# Allegro board 8880F5-0826_3.brd (continued)
## Routing (per net, layer and track width the routed paths; a pad name or vN(x,y) marks a point on that pad's centre or on a via; arc(x,y) is an arc through that point) (continued)
; D322.A8 251.46,66.75 ; D322.A8 252.17,66.04 ; D322.A8 250.75,66.04 ; 190.5,77.93 D118.B13 ; D118.B13 191.31,78.74 ; D118.B13 189.69,78.74 ; D118.B13 190.5,79.55 ; D125.A13 43.99,93.98 ; D125.A13 43.18,94.79 ; D125.A13 43.18,93.17 ; D125.A13 42.37,93.98 ; D128.B2 16.05,40.64 ; D128.B2 14.43,40.64 ; D128.B2 15.24,41.45 ; D128.B2 15.24,39.83 ; D102.B3 313.23,78.74 ; D102.B3 312.42,79.55 ; D102.B3 311.61,78.74 ; D102.B3 312.42,77.93 ; 172.01,91.44 D317.B6 ; D317.B6 173.43,91.44 ; D317.B6 172.72,92.15 ; D317.B6 172.72,90.73 ; DPS2.A15 313.23,415.29 ; DPS2.A15 312.42,414.48 ; DPS2.A15 312.42,416.1 ; DPS2.A15 311.61,415.29 ; D128.B10 35.56,41.45 ; D128.B10 34.75,40.64 ; D128.B10 35.56,39.83 ; D128.B10 36.37,40.64 ; CSDPS225.B2 271.78,333.55 ; CSDPS225.B2 270.97,332.74 ; CSDPS225.B2 271.78,331.93 ; CSDPS225.B2 272.59,332.74 ; 386.08,349.71 D110.B15 ; D110.B15 386.08,351.33 ; D110.B15 386.89,350.52 ; D110.B15 385.27,350.52 ; 159.21,375.92 D231.A17 ; D231.A17 160.02,376.73 ; D231.A17 160.83,375.92 ; D231.A17 160.02,375.11 ; D104.B7 323.39,38.1 ; D104.B7 321.77,38.1 ; D104.B7 322.58,38.91 ; D104.B7 322.58,37.29 ; 340.36,55.07 D103.A14 ; D103.A14 339.55,55.88 ; D103.A14 340.36,56.69 ; D103.A14 341.17,55.88 ; 326.95,63.5 D302.A9 ; D302.A9 327.66,62.79 ; D302.A9 327.66,64.21 ; D302.A9 328.37,63.5 ; 269.24,72.85 D122.A15 ; D122.A15 270.05,73.66 ; D122.A15 268.43,73.66 ; D122.A15 269.24,74.47 ; 39.83,55.88 D127.A12 ; D127.A12 40.64,55.07 ; D127.A12 40.64,56.69 ; D127.A12 41.45,55.88 ; D126.A10 36.37,76.2 ; D126.A10 34.75,76.2 ; D126.A10 35.56,77.01 ; D126.A10 35.56,75.39 ; D124.A5 244.65,33.02 ; D124.A5 243.03,33.02 ; D124.A5 243.84,33.83 ; D124.A5 243.84,32.21 ; D119.B5 170.99,58.42 ; D119.B5 169.37,58.42 ; D119.B5 170.18,59.23 ; D119.B5 170.18,57.61 ; 176.99,76.2 D118.A8 ; D118.A8 178.61,76.2 ; D118.A8 177.8,75.39 ; D118.A8 177.8,77.01 ; D431.A7 185.42,386.89 ; D431.A7 184.61,386.08 ; D431.A7 185.42,385.27 ; D431.A7 186.23,386.08 ; D306.A1 381.71,63.5 ; D306.A1 381,64.21 ; D306.A1 381,62.79 ; D306.A1 380.29,63.5 ; 250.85,241.33 SITE1.G4 ; SITE1.G4 251.33,240.85 ; SITE1.G4 251.33,241.81 ; SITE1.G4 251.81,241.33 ; 50.8,39.83 D128.B16 ; D128.B16 50.8,41.45 ; D128.B16 49.99,40.64 ; D128.B16 51.61,40.64 ; 116.03,78.74 D130.B13 ; D130.B13 116.84,79.55 ; D130.B13 117.65,78.74 ; D130.B13 116.84,77.93 ; D129.B1 87.17,99.06 ; D129.B1 86.36,99.87 ; D129.B1 86.36,98.25 ; D129.B1 85.55,99.06 ; D102.B2 310.69,81.28 ; D102.B2 309.07,81.28 ; D102.B2 309.88,80.47 ; D102.B2 309.88,82.09 ; 246.38,55.07 D123.A6 ; D123.A6 247.19,55.88 ; D123.A6 245.57,55.88 ; D123.A6 246.38,56.69 ; 332.74,52.53 D103.A11 ; D103.A11 332.74,54.15 ; D103.A11 333.55,53.34 ; D103.A11 331.93,53.34 ; 311.71,83.82 D301.A3 ; D301.A3 312.42,83.11 ; D301.A3 313.13,83.82 ; D301.A3 312.42,84.53 ; D321.A1 233.68,84.53 ; D321.A1 233.68,83.11 ; D321.A1 234.39,83.82 ; D321.A1 232.97,83.82 ; SITE3.G14 250.71,182.83 ; SITE3.G14 250.23,182.35 ; SITE3.G14 250.23,183.31 ; SITE3.G14 249.75,182.83 ; D301.A1 308.05,83.82 ; D301.A1 306.63,83.82 ; D301.A1 307.34,83.11 ; D301.A1 307.34,84.53 ; D122.B15 269.24,79.55 ; D122.B15 268.43,78.74 ; D122.B15 270.05,78.74 ; D122.B15 269.24,77.93 ; D302.B16 346.15,71.12 ; D302.B16 344.73,71.12 ; D302.B16 345.44,70.41 ; D302.B16 345.44,71.83 ; 249.33,247.45 SITE1.G8 ; SITE1.G8 249.33,248.41 ; SITE1.G8 248.85,247.93 ; SITE1.G8 249.81,247.93 ; S2_I2C.4 505.89,203.45 ; S2_I2C.4 504.01,203.45 ; S2_I2C.4 504.95,202.51 ; S2_I2C.4 504.95,204.39 ; 396.24,349.71 D110.B11 ; D110.B11 396.24,351.33 ; D110.B11 397.05,350.52 ; D110.B11 395.43,350.52 ; 240.49,332.74 CSDPS225.B14 ; CSDPS225.B14 242.11,332.74 ; CSDPS225.B14 241.3,333.55 ; CSDPS225.B14 241.3,331.93 ; 414.02,55.07 D107.A14 ; D107.A14 413.21,55.88 ; D107.A14 414.02,56.69 ; D107.A14 414.83,55.88 ; 176.99,81.28 D118.B8 ; D118.B8 177.8,80.47 ; D118.B8 178.61,81.28 ; D118.B8 177.8,82.09 ; 190.5,83.11 D317.A13 ; D317.A13 189.79,83.82 ; D317.A13 191.21,83.82 ; D317.A13 190.5,84.53 ; 243.84,83.11 D321.A5 ; D321.A5 243.13,83.82 ; D321.A5 244.55,83.82 ; D321.A5 243.84,84.53 ; D231.B14 167.64,369.11 ; D231.B14 166.83,368.3 ; D231.B14 167.64,367.49 ; D231.B14 168.45,368.3 ; D107.A5 391.16,54.15 ; D107.A5 391.97,53.34 ; D107.A5 390.35,53.34 ; D107.A5 391.16,52.53 ; 264.16,62.79 D322.A13 ; D322.A13 264.16,64.21 ; D322.A13 264.87,63.5 ; D322.A13 263.45,63.5 ; D108.B15 417.37,38.1 ; D108.B15 416.56,38.91 ; D108.B15 416.56,37.29 ; D108.B15 415.75,38.1 ; D104.A5 318.31,33.02 ; D104.A5 317.5,33.83 ; D104.A5 316.69,33.02 ; D104.A5 317.5,32.21 ; 250.95,246.43 SITE1.G19 ; SITE1.G19 251.43,245.95 ; SITE1.G19 251.91,246.43 ; SITE1.G19 251.43,246.91 ; CSDPS429.B12 172.72,343.71 ; CSDPS429.B12 171.91,342.9 ; CSDPS429.B12 172.72,342.09 ; CSDPS429.B12 173.53,342.9 ; D115.B15 312.42,371.65 ; D115.B15 313.23,370.84 ; D115.B15 312.42,370.03 ; D115.B15 311.61,370.84 ; 243.03,19.05 DPS3.C05 ; DPS3.C05 243.84,18.24 ; DPS3.C05 243.84,19.86 ; DPS3.C05 244.65,19.05 ; 388.62,85.65 D305.A4 ; D305.A4 388.62,87.07 ; D305.A4 389.33,86.36 ; D305.A4 387.91,86.36 ; 190.5,62.79 D318.A13 ; D318.A13 189.79,63.5 ; D318.A13 190.5,64.21 ; D318.A13 191.21,63.5 ; D305.B6 393.7,92.15 ; D305.B6 392.99,91.44 ; D305.B6 393.7,90.73 ; D305.B6 394.41,91.44 ; D115.A6 336.09,373.38 ; D115.A6 335.28,374.19 ; D115.A6 335.28,372.57 ; D115.A6 334.47,373.38 ; 190.5,329.39 CSDPS229.C5 ; CSDPS229.C5 189.69,330.2 ; CSDPS229.C5 190.5,331.01 ; CSDPS229.C5 191.31,330.2 ; 411.48,375.11 D111.A5 ; D111.A5 410.67,375.92 ; D111.A5 411.48,376.73 ; D111.A5 412.29,375.92 ; 180.34,385.27 D431.A9 ; D431.A9 181.15,386.08 ; D431.A9 179.53,386.08 ; D431.A9 180.34,386.89 ; D318.B10 183.59,71.12 ; D318.B10 182.88,70.41 ; D318.B10 182.88,71.83 ; D318.B10 182.17,71.12 ; DPS3.A01 233.68,14.78 ; DPS3.A01 234.49,13.97 ; DPS3.A01 232.87,13.97 ; DPS3.A01 233.68,13.16 ; 175.26,380.19 D431.B11 ; D431.B11 176.07,381 ; D431.B11 175.26,381.81 ; D431.B11 174.45,381 ; 91.44,52.53 D131.A3 ; D131.A3 91.44,54.15 ; D131.A3 90.63,53.34 ; D131.A3 92.25,53.34 ; D306.A12 408.94,66.75 ; D306.A12 408.23,66.04 ; D306.A12 408.94,65.33 ; D306.A12 409.65,66.04 ; 187.96,75.39 D118.A12 ; D118.A12 188.77,76.2 ; D118.A12 187.96,77.01 ; D118.A12 187.15,76.2 ; D231.A1 200.66,376.73 ; D231.A1 199.85,375.92 ; D231.A1 200.66,375.11 ; D231.A1 201.47,375.92 ; 111.76,72.85 D130.A11 ; D130.A11 112.57,73.66 ; D130.A11 111.76,74.47 ; D130.A11 110.95,73.66 ; 167.64,342.09 CSDPS429.B14 ; CSDPS429.B14 167.64,343.71 ; CSDPS429.B14 168.45,342.9 ; CSDPS429.B14 166.83,342.9 ; D127.B1 13.51,58.42 ; D127.B1 11.89,58.42 ; D127.B1 12.7,57.61 ; D127.B1 12.7,59.23 ; D103.A13 337.82,54.15 ; D103.A13 337.01,53.34 ; D103.A13 338.63,53.34 ; D103.A13 337.82,52.53 ; 385.27,370.84 D111.B15 ; D111.B15 386.08,371.65 ; D111.B15 386.08,370.03 ; D111.B15 386.89,370.84 ; D104.B12 335.28,41.45 ; D104.B12 334.47,40.64 ; D104.B12 335.28,39.83 ; D104.B12 336.09,40.64 ; D125.B10 35.56,102.41 ; D125.B10 34.75,101.6 ; D125.B10 35.56,100.79 ; D125.B10 36.37,101.6 ; D231.B2 198.12,369.11 ; D231.B2 197.31,368.3 ; D231.B2 198.12,367.49 ; D231.B2 198.93,368.3 ; D118.B4 168.45,81.28 ; D118.B4 166.83,81.28 ; D118.B4 167.64,80.47 ; D118.B4 167.64,82.09 ; SITE3.G16 253.11,182.83 ; SITE3.G16 252.63,183.31 ; SITE3.G16 252.15,182.83 ; SITE3.G16 252.63,182.35 ; 482.59,227.61 UNK2U1.4 ; UNK2U1.4 483.53,228.55 ; UNK2U1.4 481.65,228.55 ; UNK2U1.4 482.59,229.49 ; D120.A16 198.93,35.56 ; D120.A16 198.12,34.75 ; D120.A16 198.12,36.37 ; D120.A16 197.31,35.56 ; D131.A5 97.33,53.34 ; D131.A5 96.52,54.15 ; D131.A5 96.52,52.53 ; D131.A5 95.71,53.34 ; 187.15,378.46 D431.B6 ; D431.B6 188.77,378.46 ; D431.B6 187.96,377.65 ; D431.B6 187.96,379.27 ; D301.A2 310.59,86.36 ; D301.A2 309.88,87.07 ; D301.A2 309.88,85.65 ; D301.A2 309.17,86.36 ; 37.29,33.02 D128.A11 ; D128.A11 38.1,33.83 ; D128.A11 38.1,32.21 ; D128.A11 38.91,33.02 ; D128.B1 12.7,38.91 ; D128.B1 12.7,37.29 ; D128.B1 13.51,38.1 ; D128.B1 11.89,38.1 ; D120.B3 165.91,38.1 ; D120.B3 165.1,37.29 ; D120.B3 164.29,38.1 ; D120.B3 165.1,38.91 ; 266.7,60.15 D123.B14 ; D123.B14 266.7,61.77 ; D123.B14 265.89,60.96 ; D123.B14 267.51,60.96 ; 414.02,75.39 D106.A14 ; D106.A14 413.21,76.2 ; D106.A14 414.02,77.01 ; D106.A14 414.83,76.2 ; 238.05,88.9 D321.B3 ; D321.B3 238.76,88.19 ; D321.B3 238.76,89.61 ; D321.B3 239.47,88.9 ; 342.09,350.52 D114.B3 ; D114.B3 342.9,349.71 ; D114.B3 342.9,351.33 ; D114.B3 343.71,350.52 ; 105.87,58.42 D131.B9 ; D131.B9 106.68,59.23 ; D131.B9 106.68,57.61 ; D131.B9 107.49,58.42 ; D109.A6 408.94,333.55 ; D109.A6 408.13,332.74 ; D109.A6 409.75,332.74 ; D109.A6 408.94,331.93 ; D122.A5 244.65,73.66 ; D122.A5 243.03,73.66 ; D122.A5 243.84,74.47 ; D122.A5 243.84,72.85 ; 256.54,342.09 CSDPS425.B8 ; CSDPS425.B8 256.54,343.71 ; CSDPS425.B8 255.73,342.9 ; CSDPS425.B8 257.35,342.9 ; D124.B12 261.62,41.45 ; D124.B12 261.62,39.83 ; D124.B12 262.43,40.64 ; D124.B12 260.81,40.64 ; D106.A12 409.75,76.2 ; D106.A12 408.13,76.2 ; D106.A12 408.94,77.01 ; D106.A12 408.94,75.39 ; D118.B10 182.88,82.09 ; D118.B10 182.88,80.47 ; D118.B10 182.07,81.28 ; D118.B10 183.69,81.28 ; 179.53,78.74 D118.B9 ; D118.B9 180.34,77.93 ; D118.B9 181.15,78.74 ; D118.B9 180.34,79.55 ; 408.13,327.66 D109.B6 ; D109.B6 409.75,327.66 ; D109.B6 408.94,328.47 ; D109.B6 408.94,326.85 ; D116.B4 341.17,388.62 ; D116.B4 339.55,388.62 ; D116.B4 340.36,389.43 ; D116.B4 340.36,387.81 ; D318.B13 191.21,68.58 ; D318.B13 189.79,68.58 ; D318.B13 190.5,69.29 ; D318.B13 190.5,67.87 ; D106.B12 408.94,82.09 ; D106.B12 408.94,80.47 ; D106.B12 409.75,81.28 ; D106.B12 408.13,81.28 ; 393.7,352.25 D110.A12 ; D110.A12 393.7,353.87 ; D110.A12 394.51,353.06 ; D110.A12 392.89,353.06 ; D131.A6 99.06,56.69 ; D131.A6 99.06,55.07 ; D131.A6 98.25,55.88 ; D131.A6 99.87,55.88 ; 20.32,100.79 D125.B4 ; D125.B4 20.32,102.41 ; D125.B4 21.13,101.6 ; D125.B4 19.51,101.6 ; 190.5,370.03 D231.B5 ; D231.B5 190.5,371.65 ; D231.B5 191.31,370.84 ; D231.B5 189.69,370.84 ; 184.61,370.84 D231.B7 ; D231.B7 185.42,371.65 ; D231.B7 185.42,370.03 ; D231.B7 186.23,370.84 ; 166.83,76.2 D118.A4 ; D118.A4 167.64,77.01 ; D118.A4 168.45,76.2 ; D118.A4 167.64,75.39 ; D301.B12 335.99,91.44 ; D301.B12 334.57,91.44 ; D301.B12 335.28,90.73 ; D301.B12 335.28,92.15 ; 243.03,53.34 D123.A5 ; D123.A5 243.84,54.15 ; D123.A5 243.84,52.53 ; D123.A5 244.65,53.34 ; 182.88,90.73 D317.B10 ; D317.B10 183.59,91.44 ; D317.B10 182.17,91.44 ; D317.B10 182.88,92.15 ; 271.78,342.09 CSDPS425.B2 ; CSDPS425.B2 270.97,342.9 ; CSDPS425.B2 272.59,342.9 ; CSDPS425.B2 271.78,343.71 ; D132.B12 114.3,41.45 ; D132.B12 113.49,40.64 ; D132.B12 114.3,39.83 ; D132.B12 115.11,40.64 ; SITE4.G11 332.33,188.41 ; SITE4.G11 331.85,187.93 ; SITE4.G11 332.33,187.45 ; SITE4.G11 332.81,187.93 ; 253.33,247.45 SITE1.G12 ; SITE1.G12 253.81,247.93 ; SITE1.G12 253.33,248.41 ; SITE1.G12 252.85,247.93 ; 392.89,332.74 D109.A12 ; D109.A12 394.51,332.74 ; D109.A12 393.7,331.93 ; D109.A12 393.7,333.55 ; SITE4.G12 333.33,188.41 ; SITE4.G12 333.81,187.93 ; SITE4.G12 332.85,187.93 ; SITE4.G12 333.33,187.45 ; D301.B2 309.88,92.15 ; D301.B2 309.17,91.44 ; D301.B2 309.88,90.73 ; D301.B2 310.59,91.44 ; D126.A3 18.59,73.66 ; D126.A3 16.97,73.66 ; D126.A3 17.78,74.47 ; D126.A3 17.78,72.85 ; 344.63,55.88 D103.A16 ; D103.A16 345.44,55.07 ; D103.A16 346.25,55.88 ; D103.A16 345.44,56.69 ; 96.52,57.61 D131.B5 ; D131.B5 95.71,58.42 ; D131.B5 96.52,59.23 ; D131.B5 97.33,58.42 ; SITE3.G15 251.43,183.31 ; SITE3.G15 250.95,182.83 ; SITE3.G15 251.43,182.35 ; SITE3.G15 251.91,182.83 ; 105.87,73.66 D130.A9 ; D130.A9 106.68,74.47 ; D130.A9 106.68,72.85 ; D130.A9 107.49,73.66 ; 418.29,35.56 D108.A16 ; D108.A16 419.91,35.56 ; D108.A16 419.1,34.75 ; D108.A16 419.1,36.37 ; 321.77,391.16 D116.B11 ; D116.B11 322.58,390.35 ; D116.B11 322.58,391.97 ; D116.B11 323.39,391.16 ; 332.15,182.83 SITE4.G16 ; SITE4.G16 332.63,182.35 ; SITE4.G16 332.63,183.31 ; SITE4.G16 333.11,182.83 ; D130.B8 104.95,81.28 ; D130.B8 104.14,80.47 ; D130.B8 103.33,81.28 ; D130.B8 104.14,82.09 ; D109.A7 407.21,335.28 ; D109.A7 405.59,335.28 ; D109.A7 406.4,334.47 ; D109.A7 406.4,336.09 ; 161.85,86.36 D317.A2 ; D317.A2 162.56,85.65 ; D317.A2 162.56,87.07 ; D317.A2 163.27,86.36 ; CSDPS425.B16 237.03,342.9 ; CSDPS425.B16 236.22,343.71 ; CSDPS425.B16 236.22,342.09 ; CSDPS425.B16 235.41,342.9 ; 387.81,368.3 D111.B14 ; D111.B14 388.62,367.49 ; D111.B14 389.43,368.3 ; D111.B14 388.62,369.11 ; CSDPS225.C1 275.13,330.2 ; CSDPS225.C1 274.32,331.01 ; CSDPS225.C1 273.51,330.2 ; CSDPS225.C1 274.32,329.39 ; 50.8,60.15 D127.B16 ; D127.B16 49.99,60.96 ; D127.B16 51.61,60.96 ; D127.B16 50.8,61.77 ; 193.04,80.47 D118.B14 ; D118.B14 192.23,81.28 ; D118.B14 193.85,81.28 ; D118.B14 193.04,82.09 ; D125.B14 46.53,101.6 ; D125.B14 45.72,100.79 ; D125.B14 45.72,102.41 ; D125.B14 44.91,101.6 ; D130.B16 124.46,82.09 ; D130.B16 125.27,81.28 ; D130.B16 123.65,81.28 ; D130.B16 124.46,80.47 ; D318.A15 195.58,64.21 ; D318.A15 195.58,62.79 ; D318.A15 196.29,63.5 ; D318.A15 194.87,63.5 ; D306.A8 399.49,66.04 ; D306.A8 398.78,65.33 ; D306.A8 398.07,66.04 ; D306.A8 398.78,66.75 ; D123.B12 261.62,61.77 ; D123.B12 262.43,60.96 ; D123.B12 260.81,60.96 ; D123.B12 261.62,60.15 ; 339.55,60.96 D103.B14 ; D103.B14 341.17,60.96 ; D103.B14 340.36,61.77 ; D103.B14 340.36,60.15 ; D231.B4 193.04,369.11 ; D231.B4 192.23,368.3 ; D231.B4 193.04,367.49 ; D231.B4 193.85,368.3 ; D131.B2 89.71,60.96 ; D131.B2 88.9,61.77 ; D131.B2 88.09,60.96 ; D131.B2 88.9,60.15 ; D305.A15 416.56,84.53 ; D305.A15 416.56,83.11 ; D305.A15 417.27,83.82 ; D305.A15 415.85,83.82 ; 329.39,368.3 D115.B8 ; D115.B8 330.2,367.49 ; D115.B8 330.2,369.11 ; D115.B8 331.01,368.3 ; 264.16,52.53 D123.A13 ; D123.A13 264.16,54.15 ; D123.A13 263.35,53.34 ; D123.A13 264.97,53.34 ; 199.85,410.21 DPS8.C01 ; DPS8.C01 200.66,409.4 ; DPS8.C01 200.66,411.02 ; DPS8.C01 201.47,410.21 ; 105.87,33.02 D132.A9 ; D132.A9 107.49,33.02 ; D132.A9 106.68,32.21 ; D132.A9 106.68,33.83 ; D302.A15 342.9,64.21 ; D302.A15 342.9,62.79 ; D302.A15 343.61,63.5 ; D302.A15 342.19,63.5 ; 193.04,60.15 D119.B14 ; D119.B14 192.23,60.96 ; D119.B14 193.85,60.96 ; D119.B14 193.04,61.77 ; D231.B8 182.88,369.11 ; D231.B8 182.88,367.49 ; D231.B8 183.69,368.3 ; D231.B8 182.07,368.3 ; D301.A9 327.66,84.53 ; D301.A9 326.95,83.82 ; D301.A9 327.66,83.11 ; D301.A9 328.37,83.82 ; D124.B8 252.27,40.64 ; D124.B8 251.46,41.45 ; D124.B8 251.46,39.83 ; D124.B8 250.65,40.64 ; D306.A9 401.32,64.21 ; D306.A9 402.03,63.5 ; D306.A9 401.32,62.79 ; D306.A9 400.61,63.5 ; 332.63,185.95 SITE4.G20 ; SITE4.G20 332.15,186.43 ; SITE4.G20 333.11,186.43 ; SITE4.G20 332.63,186.91 ; D103.B13 337.82,59.23 ; D103.B13 337.82,57.61 ; D103.B13 338.63,58.42 ; D103.B13 337.01,58.42 ; 328.85,241.33 SITE2.G2 ; SITE2.G2 329.33,241.81 ; SITE2.G2 329.33,240.85 ; SITE2.G2 329.81,241.33 ; 261.62,342.09 CSDPS425.B6 ; CSDPS425.B6 261.62,343.71 ; CSDPS425.B6 260.81,342.9 ; CSDPS425.B6 262.43,342.9 ; 182.88,382.73 D431.A8 ; D431.A8 183.69,383.54 ; D431.A8 182.88,384.35 ; D431.A8 182.07,383.54 ; D120.B5 170.99,38.1 ; D120.B5 169.37,38.1 ; D120.B5 170.18,38.91 ; D120.B5 170.18,37.29 ; D322.A9 254,64.21 ; D322.A9 254,62.79 ; D322.A9 254.71,63.5 ; D322.A9 253.29,63.5 ; 386.08,52.53 D107.A3 ; D107.A3 386.08,54.15 ; D107.A3 385.27,53.34 ; D107.A3 386.89,53.34 ; 96.52,72.85 D130.A5 ; D130.A5 96.52,74.47 ; D130.A5 97.33,73.66 ; D130.A5 95.71,73.66 ; DPS2.C01 347.98,411.02 ; DPS2.C01 347.17,410.21 ; DPS2.C01 347.98,409.4 ; DPS2.C01 348.79,410.21 ; CSDPS225.C15 239.57,330.2 ; CSDPS225.C15 238.76,329.39 ; CSDPS225.C15 237.95,330.2 ; CSDPS225.C15 238.76,331.01 ; D107.B15 417.37,58.42 ; D107.B15 415.75,58.42 ; D107.B15 416.56,57.61 ; D107.B15 416.56,59.23 ; 330.33,180.85 SITE4.G3 ; SITE4.G3 329.85,181.33 ; SITE4.G3 330.33,181.81 ; SITE4.G3 330.81,181.33 ; 321.77,370.84 D115.B11 ; D115.B11 323.39,370.84 ; D115.B11 322.58,371.65 ; D115.B11 322.58,370.03 ; 321.77,78.74 D102.B7 ; D102.B7 322.58,77.93 ; D102.B7 323.39,78.74 ; D102.B7 322.58,79.55 ; 271.07,91.44 D321.B16 ; D321.B16 271.78,90.73 ; D321.B16 271.78,92.15 ; D321.B16 272.49,91.44 ; D114.A12 320.85,353.06 ; D114.A12 320.04,353.87 ; D114.A12 320.04,352.25 ; D114.A12 319.23,353.06 ; 347.17,330.2 D113.B1 ; D113.B1 347.98,329.39 ; D113.B1 348.79,330.2 ; D113.B1 347.98,331.01 ; 401.32,354.79 D110.A9 ; D110.A9 400.51,355.6 ; D110.A9 402.13,355.6 ; D110.A9 401.32,356.41 ; 243.84,62.79 D322.A5 ; D322.A5 244.55,63.5 ; D322.A5 243.84,64.21 ; D322.A5 243.13,63.5 ; D128.A6 25.4,36.37 ; D128.A6 24.59,35.56 ; D128.A6 26.21,35.56 ; D128.A6 25.4,34.75 ; 324.41,71.12 D302.B8 ; D302.B8 325.12,71.83 ; D302.B8 325.12,70.41 ; D302.B8 325.83,71.12 ; D126.A16 51.61,76.2 ; D126.A16 50.8,75.39 ; D126.A16 49.99,76.2 ; D126.A16 50.8,77.01 ; DPS1.A05 391.16,14.78 ; DPS1.A05 390.35,13.97 ; DPS1.A05 391.97,13.97 ; DPS1.A05 391.16,13.16 ; 30.48,75.39 D126.A8 ; D126.A8 29.67,76.2 ; D126.A8 30.48,77.01 ; D126.A8 31.29,76.2 ; D110.A4 414.83,353.06 ; D110.A4 414.02,352.25 ; D110.A4 413.21,353.06 ; D110.A4 414.02,353.87 ; D322.B2 236.22,71.83 ; D322.B2 235.51,71.12 ; D322.B2 236.22,70.41 ; D322.B2 236.93,71.12 ; D321.A6 247.09,86.36 ; D321.A6 246.38,85.65 ; D321.A6 246.38,87.07 ; D321.A6 245.67,86.36 ; 398.07,91.44 D305.B8 ; D305.B8 398.78,90.73 ; D305.B8 399.49,91.44 ; D305.B8 398.78,92.15 ; 236.22,75.39 D122.A2 ; D122.A2 237.03,76.2 ; D122.A2 236.22,77.01 ; D122.A2 235.41,76.2 ; CSDPS429.C9 181.15,340.36 ; CSDPS429.C9 180.34,339.55 ; CSDPS429.C9 179.53,340.36 ; CSDPS429.C9 180.34,341.17 ; 268.53,63.5 D322.A15 ; D322.A15 269.24,64.21 ; D322.A15 269.95,63.5 ; D322.A15 269.24,62.79 ; 386.08,57.61 D107.B3 ; D107.B3 385.27,58.42 ; D107.B3 386.89,58.42 ; D107.B3 386.08,59.23 ; 410.67,355.6 D110.A5 ; D110.A5 411.48,354.79 ; D110.A5 411.48,356.41 ; D110.A5 412.29,355.6 ; 418.39,66.04 D306.A16 ; D306.A16 419.1,66.75 ; D306.A16 419.1,65.33 ; D306.A16 419.81,66.04 ; D110.B6 409.75,347.98 ; D110.B6 408.94,347.17 ; D110.B6 408.94,348.79 ; D110.B6 408.13,347.98 ; 271.78,65.33 D322.A16 ; D322.A16 272.49,66.04 ; D322.A16 271.07,66.04 ; D322.A16 271.78,66.75 ; 309.07,388.62 D116.B16 ; D116.B16 310.69,388.62 ; D116.B16 309.88,389.43 ; D116.B16 309.88,387.81 ; D123.B7 248.92,59.23 ; D123.B7 248.92,57.61 ; D123.B7 248.11,58.42 ; D123.B7 249.73,58.42 ; D318.B4 167.64,71.83 ; D318.B4 166.93,71.12 ; D318.B4 167.64,70.41 ; D318.B4 168.35,71.12 ; D109.B7 406.4,331.01 ; D109.B7 407.21,330.2 ; D109.B7 406.4,329.39 ; D109.B7 405.59,330.2 ; DPS3.A05 244.65,13.97 ; DPS3.A05 243.84,14.78 ; DPS3.A05 243.84,13.16 ; DPS3.A05 243.03,13.97 ; D124.A4 241.3,36.37 ; D124.A4 241.3,34.75 ; D124.A4 242.11,35.56 ; D124.A4 240.49,35.56 ; SITE2.G5 332.33,241.81 ; SITE2.G5 331.85,241.33 ; SITE2.G5 332.81,241.33 ; SITE2.G5 332.33,240.85 ; 241.3,60.15 D123.B4 ; D123.B4 241.3,61.77 ; D123.B4 240.49,60.96 ; D123.B4 242.11,60.96 ; 264.16,88.19 D321.B13 ; D321.B13 264.87,88.9 ; D321.B13 263.45,88.9 ; D321.B13 264.16,89.61 ; 27.94,93.17 D125.A7 ; D125.A7 27.94,94.79 ; D125.A7 27.13,93.98 ; D125.A7 28.75,93.98 ; CSDPS429.C15 165.91,340.36 ; CSDPS429.C15 164.29,340.36 ; CSDPS429.C15 165.1,339.55 ; CSDPS429.C15 165.1,341.17 ; D108.A3 386.08,33.83 ; D108.A3 386.08,32.21 ; D108.A3 385.27,33.02 ; D108.A3 386.89,33.02 ; D104.B5 317.5,38.91 ; D104.B5 316.69,38.1 ; D104.B5 317.5,37.29 ; D104.B5 318.31,38.1 ; D118.A5 170.18,74.47 ; D118.A5 170.99,73.66 ; D118.A5 170.18,72.85 ; D118.A5 169.37,73.66 ; D110.B9 402.13,350.52 ; D110.B9 400.51,350.52 ; D110.B9 401.32,351.33 ; D110.B9 401.32,349.71 ; 169.47,83.82 D317.A5 ; D317.A5 170.89,83.82 ; D317.A5 170.18,84.53 ; D317.A5 170.18,83.11 ; 85.55,33.02 D132.A1 ; D132.A1 86.36,33.83 ; D132.A1 87.17,33.02 ; D132.A1 86.36,32.21 ; 329.49,86.36 D301.A10 ; D301.A10 330.91,86.36 ; D301.A10 330.2,87.07 ; D301.A10 330.2,85.65 ; 261.62,331.93 CSDPS225.B6 ; CSDPS225.B6 260.81,332.74 ; CSDPS225.B6 261.62,333.55 ; CSDPS225.B6 262.43,332.74 ; D113.A16 309.88,333.55 ; D113.A16 310.69,332.74 ; D113.A16 309.88,331.93 ; D113.A16 309.07,332.74 ; D305.A5 391.16,84.53 ; D305.A5 391.16,83.11 ; D305.A5 391.87,83.82 ; D305.A5 390.45,83.82 ; 330.23,245.95 SITE2.G18 ; SITE2.G18 330.71,246.43 ; SITE2.G18 330.23,246.91 ; SITE2.G18 329.75,246.43 ; D110.A15 386.08,356.41 ; D110.A15 385.27,355.6 ; D110.A15 386.89,355.6 ; D110.A15 386.08,354.79 ; 383.54,352.25 D110.A16 ; D110.A16 382.73,353.06 ; D110.A16 383.54,353.87 ; D110.A16 384.35,353.06 ; D127.B4 21.13,60.96 ; D127.B4 20.32,60.15 ; D127.B4 20.32,61.77 ; D127.B4 19.51,60.96 ; 198.12,39.83 D120.B16 ; D120.B16 197.31,40.64 ; D120.B16 198.93,40.64 ; D120.B16 198.12,41.45 ; SITE4.G6 333.33,181.81 ; SITE4.G6 333.81,181.33 ; SITE4.G6 333.33,180.85 ; SITE4.G6 332.85,181.33 ; 20.32,75.39 D126.A4 ; D126.A4 19.51,76.2 ; D126.A4 20.32,77.01 ; D126.A4 21.13,76.2 ; D118.A15 196.39,73.66 ; D118.A15 195.58,72.85 ; D118.A15 195.58,74.47 ; D118.A15 194.77,73.66 ; 39.83,76.2 D126.A12 ; D126.A12 40.64,77.01 ; D126.A12 40.64,75.39 ; D126.A12 41.45,76.2 ; 325.12,55.07 D103.A8 ; D103.A8 324.31,55.88 ; D103.A8 325.12,56.69 ; D103.A8 325.93,55.88 ; 396.24,67.87 D306.B7 ; D306.B7 395.53,68.58 ; D306.B7 396.95,68.58 ; D306.B7 396.24,69.29 ; D231.A9 181.15,375.92 ; D231.A9 180.34,376.73 ; D231.A9 180.34,375.11 ; D231.A9 179.53,375.92 ; 319.23,388.62 D116.B12 ; D116.B12 320.04,389.43 ; D116.B12 320.04,387.81 ; D116.B12 320.85,388.62 ; D112.A16 383.54,394.51 ; D112.A16 383.54,392.89 ; D112.A16 382.73,393.7 ; D112.A16 384.35,393.7 ; SITE1.G2 249.81,241.33 ; SITE1.G2 249.33,241.81 ; SITE1.G2 249.33,240.85 ; SITE1.G2 248.85,241.33 ; 335.28,392.89 D116.A6 ; D116.A6 334.47,393.7 ; D116.A6 336.09,393.7 ; D116.A6 335.28,394.51 ; D231.A13 170.99,375.92 ; D231.A13 169.37,375.92 ; D231.A13 170.18,376.73 ; D231.A13 170.18,375.11 ; 113.49,60.96 D131.B12 ; D131.B12 114.3,61.77 ; D131.B12 115.11,60.96 ; D131.B12 114.3,60.15 ; 189.69,340.36 CSDPS429.C5 ; CSDPS429.C5 190.5,341.17 ; CSDPS429.C5 190.5,339.55 ; CSDPS429.C5 191.31,340.36 ; D122.B11 259.08,79.55 ; D122.B11 259.08,77.93 ; D122.B11 258.27,78.74 ; D122.B11 259.89,78.74 ; 340.36,331.93 D113.A4 ; D113.A4 340.36,333.55 ; D113.A4 339.55,332.74 ; D113.A4 341.17,332.74 ; 268.53,68.58 D322.B15 ; D322.B15 269.24,67.87 ; D322.B15 269.24,69.29 ; D322.B15 269.95,68.58 ; D127.A15 48.26,54.15 ; D127.A15 48.26,52.53 ; D127.A15 49.07,53.34 ; D127.A15 47.45,53.34 ; 174.55,63.5 D318.A7 ; D318.A7 175.26,64.21 ; D318.A7 175.97,63.5 ; D318.A7 175.26,62.79 ; 317.5,83.11 D301.A5 ; D301.A5 316.79,83.82 ; D301.A5 318.21,83.82 ; D301.A5 317.5,84.53 ; 246.38,75.39 D122.A6 ; D122.A6 247.19,76.2 ; D122.A6 245.57,76.2 ; D122.A6 246.38,77.01 ; D113.B10 325.12,328.47 ; D113.B10 325.12,326.85 ; D113.B10 325.93,327.66 ; D113.B10 324.31,327.66 ; D103.A1 308.15,53.34 ; D103.A1 307.34,52.53 ; D103.A1 306.53,53.34 ; D103.A1 307.34,54.15 ; D317.A9 181.05,83.82 ; D317.A9 180.34,83.11 ; D317.A9 180.34,84.53 ; D317.A9 179.63,83.82 ; D306.B9 401.32,69.29 ; D306.B9 401.32,67.87 ; D306.B9 402.03,68.58 ; D306.B9 400.61,68.58 ; SITE3.G6 253.81,181.33 ; SITE3.G6 253.33,180.85 ; SITE3.G6 253.33,181.81 ; SITE3.G6 252.85,181.33 ; 403.05,55.88 D107.A10 ; D107.A10 403.86,55.07 ; D107.A10 404.67,55.88 ; D107.A10 403.86,56.69 ; 264.16,37.29 D124.B13 ; D124.B13 263.35,38.1 ; D124.B13 264.97,38.1 ; D124.B13 264.16,38.91 ; 381,77.93 D106.B1 ; D106.B1 381.81,78.74 ; D106.B1 380.19,78.74 ; D106.B1 381,79.55 ; D120.B9 181.15,38.1 ; D120.B9 180.34,38.91 ; D120.B9 180.34,37.29 ; D120.B9 179.53,38.1 ; 347.17,396.24 D116.A1 ; D116.A1 348.79,396.24 ; D116.A1 347.98,397.05 ; D116.A1 347.98,395.43 ; 195.58,329.39 CSDPS229.C3 ; CSDPS229.C3 194.77,330.2 ; CSDPS229.C3 195.58,331.01 ; CSDPS229.C3 196.39,330.2 ; 329.49,66.04 D302.A10 ; D302.A10 330.2,66.75 ; D302.A10 330.91,66.04 ; D302.A10 330.2,65.33 ; 235.41,332.74 CSDPS225.B16 ; CSDPS225.B16 236.22,331.93 ; CSDPS225.B16 237.03,332.74 ; CSDPS225.B16 236.22,333.55 ; D129.A12 115.11,96.52 ; D129.A12 113.49,96.52 ; D129.A12 114.3,95.71 ; D129.A12 114.3,97.33 ; D112.A4 414.83,393.7 ; D112.A4 413.21,393.7 ; D112.A4 414.02,392.89 ; D112.A4 414.02,394.51 ; CSDPS225.C9 254.81,330.2 ; CSDPS225.C9 254,329.39 ; CSDPS225.C9 254,331.01 ; CSDPS225.C9 253.19,330.2 ; 325.12,372.57 D115.A10 ; D115.A10 325.93,373.38 ; D115.A10 324.31,373.38 ; D115.A10 325.12,374.19 ; 397.97,327.66 D109.B10 ; D109.B10 399.59,327.66 ; D109.B10 398.78,328.47 ; D109.B10 398.78,326.85 ; 330.2,392.89 D116.A8 ; D116.A8 329.39,393.7 ; D116.A8 330.2,394.51 ; D116.A8 331.01,393.7 ; 160.02,380.19 D431.B17 ; D431.B17 159.21,381 ; D431.B17 160.02,381.81 ; D431.B17 160.83,381 ; D317.B8 178.51,91.44 ; D317.B8 177.09,91.44 ; D317.B8 177.8,90.73 ; D317.B8 177.8,92.15 ; 403.05,327.66 D109.B8 ; D109.B8 404.67,327.66 ; D109.B8 403.86,326.85 ; D109.B8 403.86,328.47 ; CSDPS229.B4 193.85,332.74 ; CSDPS229.B4 193.04,331.93 ; CSDPS229.B4 192.23,332.74 ; CSDPS229.B4 193.04,333.55 ; 405.59,355.6 D110.A7 ; D110.A7 406.4,356.41 ; D110.A7 406.4,354.79 ; D110.A7 407.21,355.6 ; 245.57,60.96 D123.B6 ; D123.B6 247.19,60.96 ; D123.B6 246.38,61.77 ; D123.B6 246.38,60.15 ; 166.93,91.44 D317.B4 ; D317.B4 168.35,91.44 ; D317.B4 167.64,92.15 ; D317.B4 167.64,90.73 ; D111.A14 389.43,373.38 ; D111.A14 388.62,374.19 ; D111.A14 387.81,373.38 ; D111.A14 388.62,372.57 ; SITE3.G1 248.33,181.81 ; SITE3.G1 247.85,181.33 ; SITE3.G1 248.33,180.85 ; SITE3.G1 248.81,181.33 ; D130.A4 94.79,76.2 ; D130.A4 93.98,77.01 ; D130.A4 93.17,76.2 ; D130.A4 93.98,75.39 ; D114.B15 312.42,351.33 ; D114.B15 311.61,350.52 ; D114.B15 313.23,350.52 ; D114.B15 312.42,349.71 ; 340.36,75.39 D102.A14 ; D102.A14 341.17,76.2 ; D102.A14 340.36,77.01 ; D102.A14 339.55,76.2 ; 387.81,327.66 D109.B14 ; D109.B14 388.62,326.85 ; D109.B14 389.43,327.66 ; D109.B14 388.62,328.47 ; SITE4.G5 332.33,181.81 ; SITE4.G5 331.85,181.33 ; SITE4.G5 332.81,181.33 ; SITE4.G5 332.33,180.85 ; 88.09,76.2 D130.A2 ; D130.A2 89.71,76.2 ; D130.A2 88.9,75.39 ; D130.A2 88.9,77.01 ; D301.A13 338.53,83.82 ; D301.A13 337.11,83.82 ; D301.A13 337.82,83.11 ; D301.A13 337.82,84.53 ; D114.B7 333.55,350.52 ; D114.B7 331.93,350.52 ; D114.B7 332.74,351.33 ; D114.B7 332.74,349.71 ; CSDPS225.B10 252.27,332.74 ; CSDPS225.B10 251.46,333.55 ; CSDPS225.B10 250.65,332.74 ; CSDPS225.B10 251.46,331.93 ; D106.A1 381,74.47 ; D106.A1 381,72.85 ; D106.A1 380.19,73.66 ; D106.A1 381.81,73.66 ; D102.B10 330.2,82.09 ; D102.B10 331.01,81.28 ; D102.B10 329.39,81.28 ; D102.B10 330.2,80.47 ; 248.92,83.11 D321.A7 ; D321.A7 248.21,83.82 ; D321.A7 248.92,84.53 ; D321.A7 249.63,83.82 ; D129.A5 97.33,93.98 ; D129.A5 96.52,93.17 ; D129.A5 95.71,93.98 ; D129.A5 96.52,94.79 ; D108.B4 388.62,41.45 ; D108.B4 389.43,40.64 ; D108.B4 388.62,39.83 ; D108.B4 387.81,40.64 ; D103.B9 328.47,58.42 ; D103.B9 327.66,57.61 ; D103.B9 326.85,58.42 ; D103.B9 327.66,59.23 ; 250.75,86.36 D321.A8 ; D321.A8 251.46,85.65 ; D321.A8 251.46,87.07 ; D321.A8 252.17,86.36 ; 410.77,63.5 D306.A13 ; D306.A13 411.48,62.79 ; D306.A13 411.48,64.21 ; D306.A13 412.19,63.5 ; 337.82,329.39 D113.B5 ; D113.B5 337.01,330.2 ; D113.B5 337.82,331.01 ; D113.B5 338.63,330.2 ; 195.58,370.03 D231.B3 ; D231.B3 195.58,371.65 ; D231.B3 194.77,370.84 ; D231.B3 196.39,370.84 ; D124.B4 241.3,41.45 ; D124.B4 240.49,40.64 ; D124.B4 241.3,39.83 ; D124.B4 242.11,40.64 ; D317.B16 198.83,91.44 ; D317.B16 198.12,90.73 ; D317.B16 197.41,91.44 ; D317.B16 198.12,92.15 ; 321.77,73.66 D102.A7 ; D102.A7 322.58,74.47 ; D102.A7 322.58,72.85 ; D102.A7 323.39,73.66 ; D112.B14 389.43,388.62 ; D112.B14 387.81,388.62 ; D112.B14 388.62,389.43 ; D112.B14 388.62,387.81 ; 413.21,373.38 D111.A4 ; D111.A4 414.02,372.57 ; D111.A4 414.02,374.19 ; D111.A4 414.83,373.38 ; D321.B2 236.93,91.44 ; D321.B2 235.51,91.44 ; D321.B2 236.22,92.15 ; D321.B2 236.22,90.73 ; D112.A9 401.32,397.05 ; D112.A9 402.13,396.24 ; D112.A9 400.51,396.24 ; D112.A9 401.32,395.43 ; 408.13,40.64 D108.B12 ; D108.B12 408.94,39.83 ; D108.B12 409.75,40.64 ; D108.B12 408.94,41.45 ; 396.24,77.93 D106.B7 ; D106.B7 396.24,79.55 ; D106.B7 397.05,78.74 ; D106.B7 395.43,78.74 ; D113.B16 309.88,328.47 ; D113.B16 309.88,326.85 ; D113.B16 309.07,327.66 ; D113.B16 310.69,327.66 ; 406.4,395.43 D112.A7 ; D112.A7 406.4,397.05 ; D112.A7 407.21,396.24 ; D112.A7 405.59,396.24 ; 319.33,91.44 D301.B6 ; D301.B6 320.04,92.15 ; D301.B6 320.04,90.73 ; D301.B6 320.75,91.44 ; 413.31,86.36 D305.A14 ; D305.A14 414.02,87.07 ; D305.A14 414.73,86.36 ; D305.A14 414.02,85.65 ; D129.B3 92.25,99.06 ; D129.B3 91.44,99.87 ; D129.B3 91.44,98.25 ; D129.B3 90.63,99.06 ; 170.18,339.55 CSDPS429.C13 ; CSDPS429.C13 170.99,340.36 ; CSDPS429.C13 169.37,340.36 ; CSDPS429.C13 170.18,341.17 ; D111.A11 397.05,375.92 ; D111.A11 396.24,375.11 ; D111.A11 395.43,375.92 ; D111.A11 396.24,376.73 ; 411.48,32.21 D108.A13 ; D108.A13 412.29,33.02 ; D108.A13 410.67,33.02 ; D108.A13 411.48,33.83 ; D231.A6 187.96,374.19 ; D231.A6 187.15,373.38 ; D231.A6 188.77,373.38 ; D231.A6 187.96,372.57 ; 403.86,34.75 D108.A10 ; D108.A10 404.67,35.56 ; D108.A10 403.05,35.56 ; D108.A10 403.86,36.37 ; 252.15,242.83 SITE1.G16 ; SITE1.G16 253.11,242.83 ; SITE1.G16 252.63,242.35 ; SITE1.G16 252.63,243.31 ; 161.75,76.2 D118.A2 ; D118.A2 162.56,77.01 ; D118.A2 162.56,75.39 ; D118.A2 163.37,76.2 ; 42.37,53.34 D127.A13 ; D127.A13 43.18,54.15 ; D127.A13 43.18,52.53 ; D127.A13 43.99,53.34 ; 27.13,33.02 D128.A7 ; D128.A7 28.75,33.02 ; D128.A7 27.94,32.21 ; D128.A7 27.94,33.83 ; D125.A3 18.59,93.98 ; D125.A3 17.78,94.79 ; D125.A3 17.78,93.17 ; D125.A3 16.97,93.98 ; D114.A14 314.96,353.87 ; D114.A14 314.15,353.06 ; D114.A14 315.77,353.06 ; D114.A14 314.96,352.25 ; D318.A16 198.12,66.75 ; D318.A16 197.41,66.04 ; D318.A16 198.12,65.33 ; D318.A16 198.83,66.04 ; 118.57,101.6 D129.B14 ; D129.B14 120.19,101.6 ; D129.B14 119.38,102.41 ; D129.B14 119.38,100.79 ; 164.39,88.9 D317.B3 ; D317.B3 165.1,88.19 ; D317.B3 165.81,88.9 ; D317.B3 165.1,89.61 ; 83.31,208.1 S3_I2C.4 ; S3_I2C.4 82.37,209.04 ; S3_I2C.4 83.31,209.98 ; S3_I2C.4 84.25,209.04 ; D113.A14 314.96,333.55 ; D113.A14 315.77,332.74 ; D113.A14 314.15,332.74 ; D113.A14 314.96,331.93 ; 110.95,78.74 D130.B11 ; D130.B11 111.76,77.93 ; D130.B11 111.76,79.55 ; D130.B11 112.57,78.74 ; D126.A6 25.4,77.01 ; D126.A6 24.59,76.2 ; D126.A6 26.21,76.2 ; D126.A6 25.4,75.39 ; 259.08,18.24 DPS3.C11 ; DPS3.C11 258.27,19.05 ; DPS3.C11 259.89,19.05 ; DPS3.C11 259.08,19.86 ; 411.48,334.47 D109.A5 ; D109.A5 411.48,336.09 ; D109.A5 410.67,335.28 ; D109.A5 412.29,335.28 ; D126.B4 21.13,81.28 ; D126.B4 20.32,82.09 ; D126.B4 20.32,80.47 ; D126.B4 19.51,81.28 ; 421.64,375.11 D111.A1 ; D111.A1 420.83,375.92 ; D111.A1 422.45,375.92 ; D111.A1 421.64,376.73 ; 95.71,99.06 D129.B5 ; D129.B5 96.52,98.25 ; D129.B5 97.33,99.06 ; D129.B5 96.52,99.87 ; 390.35,370.84 D111.B13 ; D111.B13 391.16,371.65 ; D111.B13 391.97,370.84 ; D111.B13 391.16,370.03 ; D129.A11 112.57,93.98 ; D129.A11 111.76,94.79 ; D129.A11 111.76,93.17 ; D129.A11 110.95,93.98 ; 390.35,335.28 D109.A13 ; D109.A13 391.16,334.47 ; D109.A13 391.97,335.28 ; D109.A13 391.16,336.09 ; D302.A5 317.5,64.21 ; D302.A5 318.21,63.5 ; D302.A5 316.79,63.5 ; D302.A5 317.5,62.79 ; CSDPS425.C1 274.32,341.17 ; CSDPS425.C1 273.51,340.36 ; CSDPS425.C1 274.32,339.55 ; CSDPS425.C1 275.13,340.36 ; 258.37,63.5 D322.A11 ; D322.A11 259.08,62.79 ; D322.A11 259.08,64.21 ; D322.A11 259.79,63.5 ; 331.43,245.95 SITE2.G19 ; SITE2.G19 330.95,246.43 ; SITE2.G19 331.43,246.91 ; SITE2.G19 331.91,246.43 ; D124.A1 233.68,33.83 ; D124.A1 234.49,33.02 ; D124.A1 233.68,32.21 ; D124.A1 232.87,33.02 ; D126.B10 35.56,82.09 ; D126.B10 36.37,81.28 ; D126.B10 35.56,80.47 ; D126.B10 34.75,81.28 ; 415.75,335.28 D109.A3 ; D109.A3 416.56,334.47 ; D109.A3 416.56,336.09 ; D109.A3 417.37,335.28 ; D104.B1 308.15,38.1 ; D104.B1 306.53,38.1 ; D104.B1 307.34,37.29 ; D104.B1 307.34,38.91 ; 326.95,68.58 D302.B9 ; D302.B9 327.66,67.87 ; D302.B9 327.66,69.29 ; D302.B9 328.37,68.58 ; 169.37,78.74 D118.B5 ; D118.B5 170.18,77.93 ; D118.B5 170.99,78.74 ; D118.B5 170.18,79.55 ; D125.A2 16.05,96.52 ; D125.A2 15.24,95.71 ; D125.A2 15.24,97.33 ; D125.A2 14.43,96.52 ; 187.15,383.54 D431.A6 ; D431.A6 187.96,384.35 ; D431.A6 187.96,382.73 ; D431.A6 188.77,383.54 ; 263.35,73.66 D122.A13 ; D122.A13 264.97,73.66 ; D122.A13 264.16,72.85 ; D122.A13 264.16,74.47 ; D305.B5 391.16,89.61 ; D305.B5 391.16,88.19 ; D305.B5 391.87,88.9 ; D305.B5 390.45,88.9 ; 482.49,170.56 UNK4U2.4 ; UNK4U2.4 483.43,171.51 ; UNK4U2.4 482.49,172.45 ; UNK4U2.4 481.55,171.51 ; D111.A6 409.75,373.38 ; D111.A6 408.94,372.57 ; D111.A6 408.13,373.38 ; D111.A6 408.94,374.19 ; D124.A10 256.54,36.37 ; D124.A10 256.54,34.75 ; D124.A10 257.35,35.56 ; D124.A10 255.73,35.56 ; 270.97,55.88 D123.A16 ; D123.A16 272.59,55.88 ; D123.A16 271.78,56.69 ; D123.A16 271.78,55.07 ; D321.B14 266.7,92.15 ; D321.B14 266.7,90.73 ; D321.B14 267.41,91.44 ; D321.B14 265.99,91.44 ; 15.24,75.39 D126.A2 ; D126.A2 15.24,77.01 ; D126.A2 14.43,76.2 ; D126.A2 16.05,76.2 ; 413.21,327.66 D109.B4 ; D109.B4 414.02,328.47 ; D109.B4 414.83,327.66 ; D109.B4 414.02,326.85 ; D321.B9 254.71,88.9 ; D321.B9 254,89.61 ; D321.B9 253.29,88.9 ; D321.B9 254,88.19 ; D111.B8 403.86,369.11 ; D111.B8 403.86,367.49 ; D111.B8 403.05,368.3 ; D111.B8 404.67,368.3 ; 172.72,372.57 D231.A12 ; D231.A12 171.91,373.38 ; D231.A12 172.72,374.19 ; D231.A12 173.53,373.38 ; 397.97,388.62 D112.B10 ; D112.B10 398.78,387.81 ; D112.B10 399.59,388.62 ; D112.B10 398.78,389.43 ; CSDPS429.B8 182.88,343.71 ; CSDPS429.B8 182.88,342.09 ; CSDPS429.B8 182.07,342.9 ; CSDPS429.B8 183.69,342.9 ; D322.B9 254.71,68.58 ; D322.B9 254,67.87 ; D322.B9 253.29,68.58 ; D322.B9 254,69.29 ; 331.33,180.85 SITE4.G4 ; SITE4.G4 331.81,181.33 ; SITE4.G4 330.85,181.33 ; SITE4.G4 331.33,181.81 ; 314.96,70.41 D302.B4 ; D302.B4 314.25,71.12 ; D302.B4 315.67,71.12 ; D302.B4 314.96,71.83 ; 330.33,240.85 SITE2.G3 ; SITE2.G3 330.81,241.33 ; SITE2.G3 330.33,241.81 ; SITE2.G3 329.85,241.33